# KiCad board carrier.kicad_pcb
title: Carrier Board; date: 2023-12-30; rev: V3.1; company: MUREX Robotics [Byran Huang]; note: //DO IT RIGHT,  DO IT MUREX; note: // ATTEMPT THE IMPOSSIBLE; note: CM4-based ROV (robotics) control board.; note: The MUREX Carrier Board is the world's first open-source
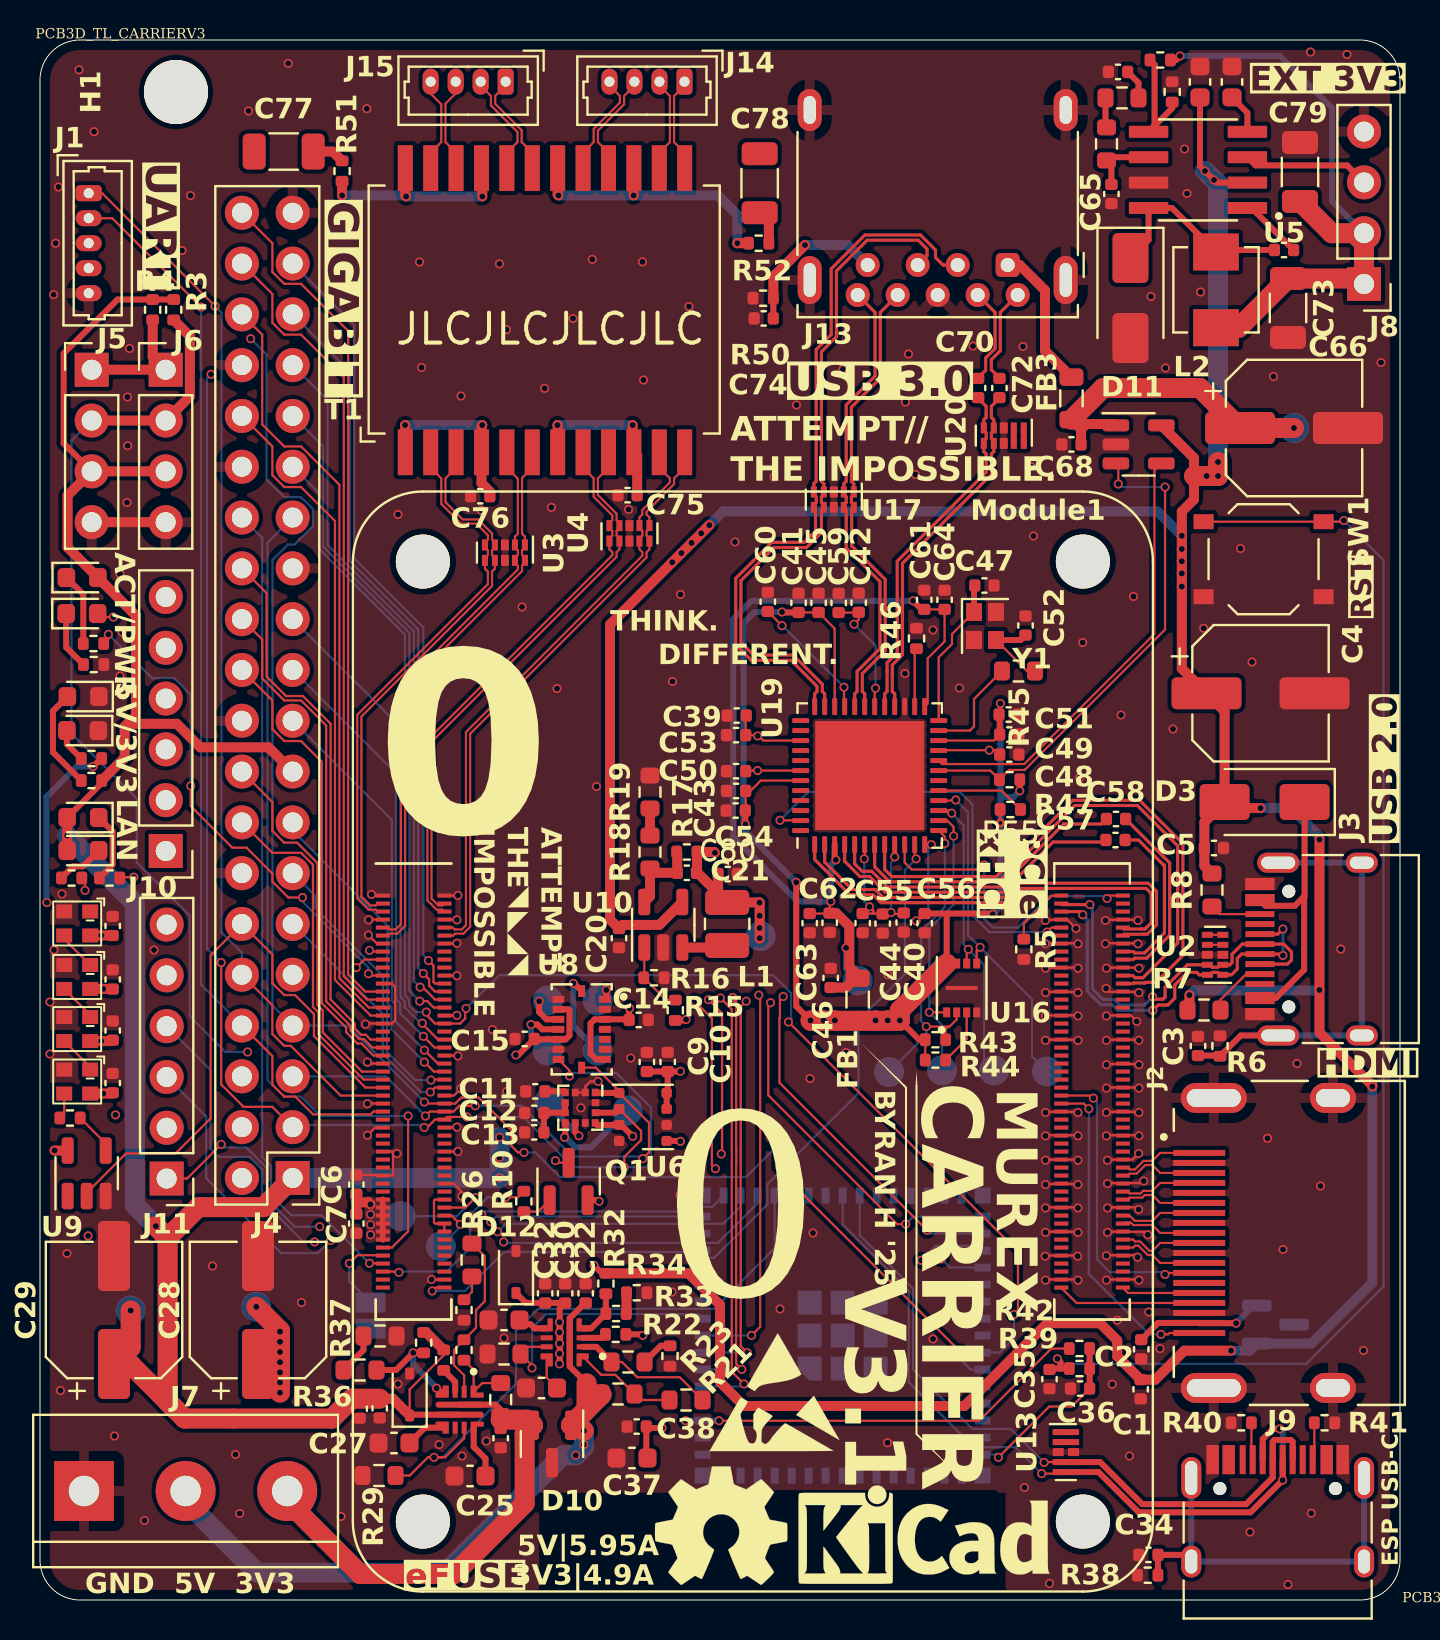
[diagram p0: board, top side]
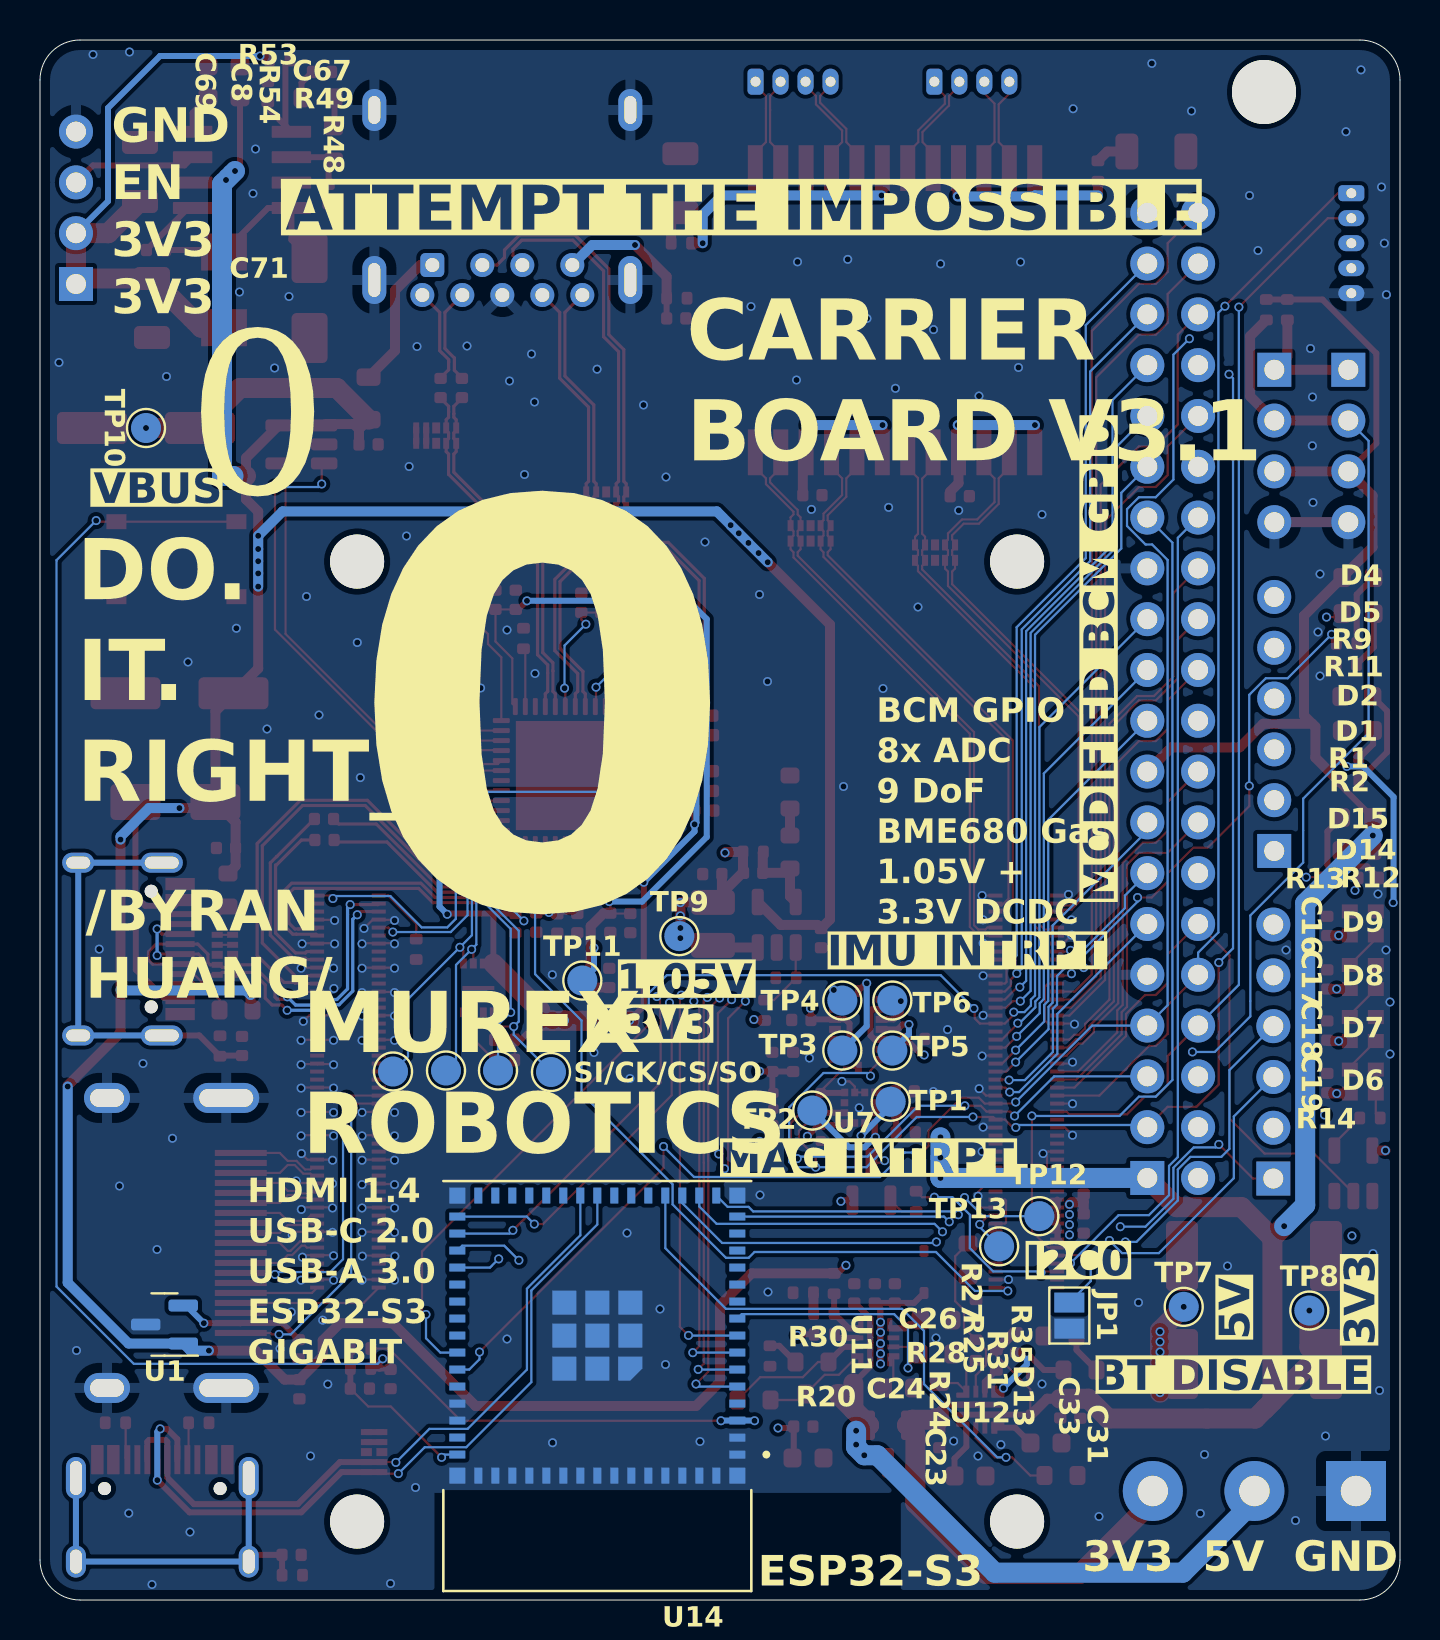
[diagram p1: board, bottom side, seen from below]

Outline 68 x 78 mm; copper layers: Top, In1.Cu, In2.Cu, Bottom. Coordinates in mm from the lower left corner of the outline.
Outline path: 0,76 0,2 arc(0.59,0.59) 2,0 66,0 arc(67.41,0.59) 68,2 68,76 arc(67.41,77.41) 66,78 2,78 arc(0.59,77.41) 0,76
Stack: Top 0.035mm / dielectric 0.1mm FR4 er 4.5 / In1.Cu 0.035mm / dielectric 1.24mm FR4 er 4.5 / In2.Cu 0.035mm / dielectric 0.1mm FR4 er 4.5 / Bottom 0.035mm

## Placement (name value [footprint] x y rotation side)
C1  100nF  [C_0402_1005Metric]  55.03 10.54 270 top
C2  100nF  [C_0402_1005Metric]  55.06 12.54 270 top
C3  100nF  [C_0402_1005Metric]  57.9 27.7 90 top
C4  150uF  [CP_Elec_6.3x7.7]  61.03 45.34 0 top
C5  100nF  [C_0402_1005Metric]  58.7 37.6 0 top
C6  100nF  [C_0402_1005Metric]  15.81 20.77 90 top
C7  10uF  [C_0402_1005Metric]  15.81 18.82 270 top
C8  22uF  [C_0603_1608Metric]  58 75.91 90 top
C9  100nF  [C_0402_1005Metric]  30.34 26.9 90 top
C10  100nF  [C_0402_1005Metric]  31.38 26.9 90 top
C11  100nF  [C_0402_1005Metric]  24.76 25.43 180 top
C12  1uF  [C_0402_1005Metric]  24.71 24.35 0 top
C13  100nF  [C_0402_1005Metric]  24.71 23.38 0 top
C14  100nF  [C_0402_1005Metric]  29.93 29 0 top
C15  100nF  [C_0402_1005Metric]  24.23 28.05 180 top
C16  0.1uF  [C_0402_1005Metric]  3.63 33.7 270 top
C17  0.1uF  [C_0402_1005Metric]  3.63 31.03 270 top
C18  0.1uF  [C_0402_1005Metric]  3.63 28.47 270 top
C19  0.1uF  [C_0402_1005Metric]  3.63 25.85 270 top
C20  10uF  [C_0402_1005Metric]  28.95 33.09 270 top
C21  22pF  [C_0402_1005Metric]  32.34 36.36 180 top
C22  1uF X5R  [C_0402_1005Metric]  27.28 15.33 90 top
C23  1uF X5R  [C_0402_1005Metric]  23.03 8.09 270 top
C24  2.2nF  [C_0603_1608Metric]  25.08 10.6 180 top
C25  2.2nF  [C_0603_1608Metric]  21.5 6.2 180 top
C26  3.3nF  [C_0603_1608Metric]  23.2 14 180 top
C27  3.3nF  [C_0603_1608Metric]  17.7 7.85 180 top
C28  150uF  [CP_Elec_6.3x7.7]  10.9 14.5 90 top
C29  150uF  [CP_Elec_6.3x7.7]  3.7 14.5 90 top
C30  10uF  [C_0402_1005Metric]  26.26 15.33 90 top
C31  10uF  [C_0402_1005Metric]  15.98 9.57 270 top
C32  10uF  [C_0402_1005Metric]  25.26 15.33 90 top
C33  10uF  [C_0402_1005Metric]  16.98 9.58 270 top
C34  100nF  [C_0402_1005Metric]  55.42 2.26 180 top
C35  0.1uF  [C_0402_1005Metric]  50.47 11.05 90 top
C36  1uF  [C_0402_1005Metric]  52 10.57 180 top
C37  22uF  [C_0603_1608Metric]  29.6 7.1 180 top
C38  0.1uF  [C_0402_1005Metric]  29.83 8.67 180 top
C39  100nF  [C_0402_1005Metric]  34.83 44.22 180 top
C40  100nF  [C_0402_1005Metric]  43.18 33.87 270 top
C41  100nF  [C_0402_1005Metric]  37.93 49.86 90 top
C42  100nF  [C_0402_1005Metric]  40.93 49.86 90 top
C43  10nF  [C_0402_1005Metric]  34.8 40.45 180 top
C44  10nF  [C_0402_1005Metric]  42.13 33.82 270 top
C45  10nF  [C_0402_1005Metric]  38.93 49.86 90 top
C46  10uF  [C_0402_1005Metric]  39.53 31.1 90 top
C47  22pF  [C_0402_1005Metric]  47.22 50.72 0 top
C48  10nF  [C_0402_1005Metric]  48.46 42.27 0 top
C49  10nF  [C_0402_1005Metric]  48.46 43.27 0 top
C50  10nF  [C_0402_1005Metric]  34.8 41.44 180 top
C51  10nF  [C_0402_1005Metric]  48.43 44.27 0 top
C52  22pF  [C_0402_1005Metric]  49.27 48.72 90 top
C53  10nF  [C_0402_1005Metric]  34.8 43.24 180 top
C54  10nF  [C_0402_1005Metric]  34.78 39.47 180 top
C55  10nF  [C_0402_1005Metric]  41.13 33.84 270 top
C56  10nF  [C_0402_1005Metric]  44.23 33.84 270 top
C57  100nF  [C_0402_1005Metric]  53.77 38 180 top
C58  100nF  [C_0402_1005Metric]  53.8 39.05 180 top
C59  10nF  [C_0402_1005Metric]  39.93 49.85 90 top
C60  10nF  [C_0402_1005Metric]  36.39 49.91 90 top
C61  100nF  [C_0402_1005Metric]  44.21 50.01 90 top
C62  100nF  [C_0402_1005Metric]  39.48 33.86 270 top
C63  10nF  [C_0402_1005Metric]  38.48 33.84 270 top
C64  10nF  [C_0402_1005Metric]  45.23 50.01 90 top
C65  10pF  [C_0402_1005Metric]  53.57 70.3 270 top
C66  150uF  [CP_Elec_6.3x7.7]  62.7 58.6 0 top
C67  1nF  [C_0402_1005Metric]  53.9 76.41 180 top
C68  10uF  [C_0402_1005Metric]  51.57 57.78 180 top
C69  8.2nF  [C_0603_1608Metric]  59.6 75.91 90 top
C70  100nF  [C_0402_1005Metric]  46.9 60.6 90 top
C71  100nF  [C_0402_1005Metric]  62.2 67.5 180 top
C72  100nF  [C_0402_1005Metric]  47.97 60.6 90 top
C73  100uF  [C_1206_3216Metric]  62.4 64.6 270 top
C74  100nF  [C_0402_1005Metric]  36.19 64.08 180 top
C75  0.1uF  [C_0402_1005Metric]  29.38 55.24 180 top
C76  0.1uF  [C_0402_1005Metric]  22.01 55.19 180 top
C77  1nF 2KV (1206)  [C_1206_3216Metric]  12.18 72.42 180 top
C78  1nF 2KV (1206)  [C_1206_3216Metric]  35.98 70.84 90 top
C79  100uF  [C_1206_3216Metric]  63 71.4 90 top
C80  10uF  [C_0402_1005Metric]  34.38 36.29 0 top
D1  5V  [LED_0603_1608Metric]  2.13 43.47 180 top
D2  3.3V  [LED_0603_1608Metric]  2.16 45.17 180 top
D3  SS54  [D_SMA]  61.23 39.9 180 top
D4  LED Green  [LED_0603_1608Metric]  2.11 51.12 0 top
D5  LED RED  [LED_0603_1608Metric]  2.1 49.32 0 top
D6  NEOPIXEL  [SK6812-EC20]  1.86 25.92 0 top
D7  NEOPIXEL  [SK6812-EC20]  1.86 28.55 0 top
D8  NEOPIXEL  [SK6812-EC20]  1.86 31.15 0 top
D9  NEOPIXEL  [SK6812-EC20]  1.86 33.83 0 top
D10  PSM712  [SOT-23]  25.6 7.8 270 top
D11  SS54  [D_SMA]  54.52 65.1 270 top
D12  1N5819WS  [D_SOD-323]  23.8 16.4 90 top
D13  1N5819WS  [D_SOD-323]  18.48 10.27 90 top
D14  LED Green  [LED_0603_1608Metric]  2.15 37.47 180 top
D15  LED Orange  [LED_0603_1608Metric]  2.15 39.12 180 top
FB1  BLM21PG600SN1  [L_0805_2012Metric]  40.88 30.02 90 top
FB3  BLM21PG600SN1  [L_0805_2012Metric]  51.57 60.08 90 top
H1  MountingHole  [MountingHole_3.2mm_M3]  6.8 75.4 90 top
H2  ESD Symbol  [ESD-Logo_6.6x6mm_SilkScreen]  36.73 10.4 0 top
H3  KiCAD Symbol  [KiCad-Logo_5mm_SilkScreen]  44.2 2.75 0 top
H4  OSHW Symbol  [OSHW-Symbol_6.7x6mm_SilkScreen]  34.05 3.7 0 top
H5  CM4 GPIO Hirose 2x50  [Raspberry-Pi-4-Compute-Module-No-Outline-No-Pads]  18.67 25.42 0 top
H6  CM4 High Speed Hirose 2x50  [Raspberry-Pi-4-Compute-Module-No-Outline-No-Pads]  52.6 25.42 0 top
J1  UART  [Molex_PicoBlade_53047-0510_1x05_P1.25mm_Vertical]  2.43 70.34 270 top
J2  690-019-298-412  [EDAC 690-019-298-412]  58.69 17.85 90 top
J3  USB_C_Receptacle_USB2.0  [USB_C_Receptacle_HRO_TYPE-C-31-M-12]  65.04 32.55 90 top
J4  THD-20-R  [PinHeader_2x20_P2.54mm_Vertical]  12.63 21.1 180 top
J5  I2C  [PinHeader_1x04_P2.54mm_Vertical]  2.58 61.51 0 top
J6  I2C  [PinHeader_1x04_P2.54mm_Vertical]  6.28 61.51 0 top
J7  RAW PWR INPUT  [TerminalBlock_bornier-3_P5.08mm]  2.2 5.45 0 top
J8  EXT 3.3V  [PinHeader_1x04_P2.54mm_Vertical]  66.2 65.8 180 top
J9  USB_C_Receptacle_USB2.0  [USB_C_Receptacle_HRO_TYPE-C-31-M-12]  61.88 2.97 0 top
J10  ESP GPIO 1  [PinHeader_1x06_P2.54mm_Vertical]  6.29 37.45 180 top
J11  ESP GPIO 2  [PinHeader_1x06_P2.54mm_Vertical]  6.33 21.07 180 top
J13  USB3_A  [USB3_A_Molex_48393-001]  48.38 66.75 180 top
J14  Conn_01x04  [Molex_PicoBlade_53047-0410_1x04_P1.25mm_Vertical]  32.22 75.92 180 top
J15  Conn_01x04  [Molex_PicoBlade_53047-0410_1x04_P1.25mm_Vertical]  23.28 75.92 180 top
JP1  BT_nDis  [SolderJumper-2_P1.3mm_Open_Pad1.0x1.5mm]  16.53 14.22 270 bottom
L1  2.2uH  [L_1008_2520Metric]  34.36 33.8 90 top
L2  3.3uH  [L_Vishay_IHLP-1616]  58.8 65.51 90 top
Module1  ComputeModule4  [Raspberry-Pi-4-Compute-Module]  19.14 3.92 0 top
Q1  SS8550  [SOT-23]  26.43 20.93 90 top
R1  2.2k  [R_0402_1005Metric]  2.57 42.07 180 top
R2  2.2k  [R_0402_1005Metric]  2.57 40.97 180 top
R3  10k  [R_0402_1005Metric]  6.68 64.51 270 top
R4  10k  [R_0402_1005Metric]  5.63 64.51 90 top
R5  2.2k  [R_0402_1005Metric]  49.19 32.53 270 top
R6  1M  [R_0402_1005Metric]  59 27.7 90 top
R7  56k  [R_0603_1608Metric]  58.2 29.5 180 top
R8  56k  [R_0603_1608Metric]  58.6 35.5 90 top
R9  1k  [R_0402_1005Metric]  2.67 47.82 0 top
R10  2.2k  [R_0402_1005Metric]  24.19 19.93 270 top
R11  1k  [R_0402_1005Metric]  2.68 46.77 0 top
R12  1k  [R_0402_1005Metric]  1.58 36.1 0 top
R13  1k  [R_0402_1005Metric]  3.48 36.1 0 top
R14  470  [R_0402_1005Metric]  1.5 24.1 180 top
R15  15k  [R_0402_1005Metric]  31.77 29.49 90 top
R16  15k  [R_0402_1005Metric]  30.7 31.11 0 top
R17  12k  [R_0402_1005Metric]  32.34 37.4 180 top
R18  8.2k  [R_0603_1608Metric]  30.5 37.4 90 top
R19  8.2k  [R_0603_1608Metric]  30.5 40.4 90 top
R20  470k  [R_0603_1608Metric]  28.9 10.3 0 top
R21  30k  [R_0603_1608Metric]  32.3 10 0 top
R22  120k  [R_0603_1608Metric]  29.4 11.9 0 top
R23  10k  [R_0402_1005Metric]  31.5 12.2 270 top
R24  470k  [R_0603_1608Metric]  23.03 10.02 90 top
R25  47k  [R_0402_1005Metric]  21.2 12.5 90 top
R26  220k  [R_0603_1608Metric]  21.6 17 270 top
R27  33k  [R_0402_1005Metric]  21.2 14.5 270 top
R28  560  [R_0603_1608Metric]  23.2 12.3 180 top
R29  680  [R_0603_1608Metric]  16.95 6.22 180 top
R30  47k  [R_0402_1005Metric]  28.78 13.28 180 top
R31  47k  [R_0402_1005Metric]  20.18 11.99 270 top
R32  47k  [R_0402_1005Metric]  28.29 15.82 270 top
R33  10k  [R_0402_1005Metric]  28.8 14.32 0 top
R34  5.1k  [R_0402_1005Metric]  29.84 15.36 0 top
R35  47k  [R_0402_1005Metric]  19.18 12.87 270 top
R36  27k  [R_0603_1608Metric]  16 11.5 180 top
R37  1.2k  [R_0603_1608Metric]  17 13.2 0 top
R38  1M  [R_0402_1005Metric]  55.39 1.24 180 top
R39  0  [R_0402_1005Metric]  51.97 11.57 0 top
R40  5.1k  [R_0402_1005Metric]  60.06 8.86 180 top
R41  5.1k  [R_0402_1005Metric]  64.23 8.86 0 top
R42  10k  [R_0402_1005Metric]  51.97 12.57 0 top
R43  47k  [R_0402_1005Metric]  44.77 28.01 180 top
R44  10k  [R_0402_1005Metric]  44.77 27 0 top
R45  680  [R_0603_1608Metric]  48.92 46.45 180 top
R46  1.6k  [R_0402_1005Metric]  43.83 48.07 90 top
R47  10k  [R_0402_1005Metric]  48.48 41.02 0 top
R48  13k  [R_0603_1608Metric]  53.33 72.8 90 top
R49  13k  [R_0603_1608Metric]  54.1 75.1 0 top
R50  1M  [R_0402_1005Metric]  36.16 65.09 180 top
R51  75  [R_0402_1005Metric]  15.1 71.45 90 top
R52  75  [R_0402_1005Metric]  35.93 67.84 0 top
R53  10k  [R_0402_1005Metric]  56.01 77 180 top
R54  3.3k  [R_0402_1005Metric]  56.61 75.41 90 top
R55  10k  [R_0402_1005Metric]  48.52 39.52 180 top
SW1  ESP RST  [SW_Push_1P1T_XKB_TS-1187A]  61.18 52.04 180 top
T1  -  [QT24A23]  25.23 64.52 90 top
TP1  ~  [TestPoint_Pad_D1.5mm]  25.47 24.91 180 bottom
TP2  ~  [TestPoint_Pad_D1.5mm]  29.38 24.47 180 bottom
TP3  ~  [TestPoint_Pad_D1.5mm]  27.88 27.47 180 bottom
TP4  ~  [TestPoint_Pad_D1.5mm]  27.88 29.97 180 bottom
TP5  ~  [TestPoint_Pad_D1.5mm]  25.38 27.47 180 bottom
TP6  ~  [TestPoint_Pad_D1.5mm]  25.38 29.97 180 bottom
TP7  ~  [TestPoint_Pad_D1.5mm]  10.81 14.66 180 bottom
TP8  ~  [TestPoint_Pad_D1.5mm]  4.53 14.47 180 bottom
TP9  ~  [TestPoint_Pad_D1.5mm]  36.03 33.19 180 bottom
TP10  ~  [TestPoint_Pad_D1.5mm]  62.7 58.6 90 bottom
TP11  ~  [TestPoint_Pad_D1.5mm]  40.88 30.97 180 bottom
TP12  ~  [TestPoint_Pad_D1.5mm]  18.03 19.19 180 bottom
TP13  ~  [TestPoint_Pad_D1.5mm]  20.04 17.68 180 bottom
TP14  ~  [TestPoint_Pad_D1.5mm]  47.7 26.47 180 bottom
TP15  ~  [TestPoint_Pad_D1.5mm]  45.1 26.47 180 bottom
TP16  ~  [TestPoint_Pad_D1.5mm]  50.35 26.42 180 bottom
TP17  ~  [TestPoint_Pad_D1.5mm]  42.45 26.4 180 bottom
U1  RT9742SNGV  [SOT-23]  61.77 13.77 0 bottom
U2  TPD4EUSB30  [USON-10_2.5x1.0mm_P0.5mm]  58.75 32.26 180 top
U3  TPD4EUSB30  [USON-10_2.5x1.0mm_P0.5mm]  23.25 52.37 270 top
U4  TPD4EUSB30  [USON-10_2.5x1.0mm_P0.5mm]  29.47 53.33 90 top
U5  TPS54331DR  [SOIC127P599X175-8N]  57.9 71.5 180 top
U6  BME680  [Bosch_LGA-8_3x3mm_P0.8mm_ClockwisePinNumbering]  30.15 24.15 90 top
U7  LIS3MDL  [LGA-12_2x2mm_P0.5mm]  27.01 24.61 270 top
U8  BMI088  [PQFN50P450X300X100-16N]  27.08 28.53 270 top
U9  SN74LV1T34DCK  [SOT-23-5]  2.33 21.33 90 top
U10  AP3429KTTR-G1  [TSOT-23-5]  31.16 33.76 90 top
U11  TPS259474LRPWR  [TPS259474]  26.23 12.88 180 top
U12  TPS259474LRPWR  [TPS259474]  20.98 9.52 270 top
U13  TPD4EUSB30  [USON-10_2.5x1.0mm_P0.5mm]  51.29 7.4 0 top
U14  ESP32-S3-MINI-1-N8  [ESP32-S3-MINI-1]  40.13 13.22 0 bottom
U16  -  [W25X40CLUXIG]  46.08 30.6 90 top
U17  TPD4EUSB30  [USON-10_2.5x1.0mm_P0.5mm]  39.69 55.02 270 top
U18  AP2191  [SOT-23-5]  54.93 57.78 0 top
U19  uPD720202  [QFN-48-1EP_7x7mm_P0.5mm_EP5.45x5.45mm]  41.48 41.22 90 top
U20  TPD4EUSB30  [USON-10_2.5x1.0mm_P0.5mm]  48.19 58.22 270 top
Y1  24MHz  [Crystal_SMD_2016-4Pin_2.0x1.6mm]  47.25 48.7 270 top

## Library data of the parts
C1 C2 = -: Field4: Farnell; Field5: 2611911; Field6: RM EMK105 B7104KV-F; Field7: TAIYO YUDEN EUROPE GMBH; Part Description: 0.1uF 10% 16V Ceramic Capacitor X7R 0402 (1005 Metric); Field8: 110091611; ki_fp_filters: C_*
C3 C5-C8 C11 C21-C27 C30-C65 C67-C80 = -: Description: Unpolarized capacitor, small symbol; ki_fp_filters: C_*
C4 C28 C29 C66 = -: Description: Polarized capacitor, small symbol; ki_fp_filters: CP_*
C9 C10 C12-C19 = -: ki_fp_filters: C_*
C20 = -: Description: Unpolarized capacitor, small symbol; Field4: Digikey; Field5: 490-14381-1-ND; Field6: GRM21BR71A106KA73L; Field7: Murata; Field8: 111893011; Part Description: 10uF 10% 10V Ceramic Capacitor X7R 0805 (2012 Metric); ki_fp_filters: C_*
D1 = -: JLC Part #: C2286; ki_fp_filters: LED* LED_SMD:* LED_THT:*
D2 = -: JLC Part #: C72041; ki_fp_filters: LED* LED_SMD:* LED_THT:*
D3 D11-D13 = -: Description: Schottky diode; ki_fp_filters: TO-???* *_Diode_* *SingleDiode* D_*
D4 D14 D15 = -: Description: Light emitting diode, small symbol; Field4: Digikey; Field5: LTST-S270KGKT; Field6: SML-A12M8TT86N; Field7: Rohm; Field8: 650263301; Part Description: Green 572nm LED Indication - Discrete 2.2V 2-SMD, No Lead; ki_fp_filters: LED* LED_SMD:* LED_THT:*
D5 = -: Description: Light emitting diode, small symbol; ki_fp_filters: LED* LED_SMD:* LED_THT:*
D6-D9 = -: Datasheet: https://cdn-shop.adafruit.com/datasheets/WS2812B.pdf; ki_fp_filters: LED*WS2812*PLCC*5.0x5.0mm*P3.2mm*
D10 = -: Datasheet: https://www.littelfuse.com/~/media/electronics/datasheets/tvs_diode_arrays/littelfuse_tvs_diode_array_sm712_datasheet.pdf.pdf; Description: 7V/12V, 600W Asymmetrical TVS Diode Array, SOT-23; ki_fp_filters: SOT?23*
FB1 FB3 = -: Description: Ferrite bead, small symbol; ki_fp_filters: Inductor_* L_* *Ferrite*
H1-H4 = -: Field4: nf; Field5: nf; Field6: nf; Field7: nf; Part Description: M2.5 mounting hole; ki_fp_filters: MountingHole*
H5 H6 = -: ki_fp_filters: MountingHole*
J1 J5 J6 = -: ki_fp_filters: Connector*:*_1x??_*
J2 = -: Datasheet: https://en.wikipedia.org/wiki/HDMI; Field4: Farnell; Field5: 2614936; Field7: EDAC; Part Description: HDMI Connector, Right Angle, 19 Contacts, Receptacle, Surface Mount, Surface Mount Right Angle; Field8: UCON00802; ki_fp_filters: HDMI*A*
J3 J9 = -: Datasheet: https://www.usb.org/sites/default/files/documents/usb_type-c.zip; ki_fp_filters: USB*C*Receptacle*
J4 = -: Datasheet: https://www.toby.co.uk/uploads/publications/1673.pdf; Field4: Toby; Field7: Toby; Field8: UCON00511; Part Description: PinHeader_2x20_P2.54mm_Vertical; ki_fp_filters: Connector*:*_2x??_*
J7 = -: Description: Generic screw terminal, single row, 01x03, script generated (kicad-library-utils/schlib/autogen/connector/); ki_fp_filters: TerminalBlock*:*
J8 J14 J15 = -: Description: Generic connector, single row, 01x04, script generated (kicad-library-utils/schlib/autogen/connector/); ki_fp_filters: Connector*:*_1x??_*
J10 J11 = -: Description: Generic connector, single row, 01x06, script generated (kicad-library-utils/schlib/autogen/connector/); ki_fp_filters: Connector*:*_1x??_*
J13 = -: Description: USB 3.0 A connector; ki_fp_filters: USB3*
JP1 = -: Description: Jumper, 2-pole, open; ki_fp_filters: Jumper* TestPoint*2Pads* TestPoint*Bridge*
L1 = -: Datasheet: https://www.bourns.com/data/global/pdfs/SRN2512.pdf; Field6: SRN2512-2R2M; Field7: Bourns; Part Description: Inductor, SMT, 2520, 2u2, IRMS=2.3A, ISAT=2.7A, DCR=0.102R; ki_fp_filters: Choke_* *Coil* Inductor_* L_*
L2 = -: Description: Inductor, small symbol; ki_fp_filters: Choke_* *Coil* Inductor_* L_*
Module1 = -: Field4: Hirose; Field5: 2x DF40C-100DS-0.4V; Field6: 2off DF40C-100DS-0.4V; Field7: Hirose; Part Description: 100 Position Connector Receptacle, Center Strip Contacts Surface Mount Gold
Q1 = -: Description: PNP transistor, base/emitter/collector
R1 R2 R7 R8 R14 R40 R41 = -: ki_fp_filters: R_*
R3 R4 = -: LCSC: C25804; ki_fp_filters: R_*
R5 = -: Field4: Farnell; Field5: 9239278; Field7: KOA EUROPE GMBH; Field6: RK73G1ETQTP2201D; Part Description: Resistor 2.2K M1005 1% 63mW; Field8: 120889581; ki_fp_filters: R_*
R6 R10 R20-R39 R42-R55 = -: Description: Resistor, small symbol; ki_fp_filters: R_*
R9 R11 = -: Description: Resistor, small symbol; Field4: Farnell; Field5: 9239235; Field7: KOA EUROPE GMBH; Field6: RK73H1ETTP1001F; Part Description: Resistor 1K M1005 1% 63mW; Field8: 125049511; ki_fp_filters: R_*
R12 R13 = -: Description: Resistor, small symbol; Field4: Farnell; Field5: 9239197; Field7: KOA EUROPE GMBH; Field6: RK73G1ETQTP4700D; Field8: 120887981; Part Description: Resistor 470R M1005 1% 63mW; ki_fp_filters: R_*
R15 R16 = -: Description: Resistor, small symbol; Field4: Farnell; Field5: 9239375; Field6: MCR01MZPF1502; Field7: Rohm; Part Description: Resistor 15K M1005 1% 63mW; Field8: 120891581; ki_fp_filters: R_*
R17 = -: Description: Resistor, small symbol; Field4: Farnell; Field5: 9239367; Field7: Rohm; Field6: MCR01MZPF1202; Part Description: Resistor 12K M1005 1% 63mW; ki_fp_filters: R_*
R18 R19 = -: Description: Resistor, small symbol; Field4: Farnell; Field6: MCR01MZPF1602; Field7: Rohm; Part Description: Resistor 16K M1005 1% 63mW; ki_fp_filters: R_*
SW1 = -: Description: Push button switch, generic, two pins
TP1-TP11 = -: ki_fp_filters: Pin* Test*
TP12-TP17 = -: Description: test point; ki_fp_filters: Pin* Test*
U1 = -: Datasheet: https://www.richtek.com/assets/product_file/RT9742/DS9742-09.pdf; Field4: Farnell; Field5: 2575555; Field7: RichTek; Part Description: Power Switch/Driver 1:1 N-Channel 500mA SOT-23-3; Field8: USWI00155
U2-U4 U13 U17 U20 = -: Datasheet: http://www.ti.com/lit/ds/symlink/tpd2eusb30a.pdf; Field4: Farnell; Field5: 2335455; Field6: CDDFN10-3324P-13; Field7: Bourns; Field8: UDIO00346; Part Description: Quad TVS diode for high speed signals (USB3, GigE etc.); ki_fp_filters: USON*2.5x1.0mm*P0.5mm*
U5 = -: MF: Texas Instruments; Description_1: 3.5V to 28V Input, 3A, 570kHz Step-Down Converter with Eco-mode; Package: SOIC-8 Texas Instruments; Price: None; SnapEDA_Link: https://www.snapeda.com/parts/TPS54331DR/Texas+Instruments/view-part/?ref=snap; Purchase-URL: https://www.snapeda.com/api/url_track_click_mouser/?unipart_id=490779&manufacturer=Texas Instruments&part_name=TPS54331DR&search_term=tps54331dr; Availability: In Stock; Check_prices: https://www.snapeda.com/parts/TPS54331DR/Texas+Instruments/view-part/?ref=eda
U6 = -: Datasheet: https://ae-bst.resource.bosch.com/media/_tech/media/datasheets/BST-BME680-DS001.pdf; ki_fp_filters: *LGA*3x3mm*P0.8mm*Clockwise*
U7 = -: Datasheet: https://www.st.com/resource/en/datasheet/lis3mdl.pdf; Description: Ultra-low-power, 3-axis digital output magnetometer, LGA-12; ki_fp_filters: LGA*2x2mm*P0.5mm*
U8 = -: MF: Bosch Sensortec; PURCHASE-URL: https://pricing.snapeda.com/search/part/BMI088/?ref=eda; PACKAGE: VFLGA-16 Bosch Sensortec; PRICE: None; AVAILABILITY: In Stock; DESCRIPTION: Accelerometer, Gyroscope, 6 Axis Sensor I²C, SPI Output
U9 = -: Datasheet: https://www.ti.com/lit/ds/symlink/sn74lv1t34.pdf; ki_fp_filters: SOT?23*
U10 = -: Datasheet: https://www.diodes.com/assets/Datasheets/AP3429.pdf; Field7: Diodes
U11 U12 = -: DigiKey_Part_Number: 296-TPS259474ARPWRTR-ND; MF: Texas Instruments; MAXIMUM_PACKAGE_HEIGHT: 1.0 mm; Package: VFQFN-10 Texas Instruments; Check_prices: https://www.snapeda.com/parts/TPS259474ARPWR/Texas+Instruments/view-part/?ref=eda; STANDARD: Manufacturer Recommendations; PARTREV: A; SnapEDA_Link: https://www.snapeda.com/parts/TPS259474ARPWR/Texas+Instruments/view-part/?ref=snap; MP: TPS259474ARPWR; Purchase-URL: https://www.snapeda.com/api/url_track_click_mouser/?unipart_id=5832748&manufacturer=Texas Instruments&part_name=TPS259474ARPWR&search_term=tps25947; Description_1: 2.7-V to 23-V, 28-mΩ, 5.5-A eFuse with integrated reverse polarity protection; MANUFACTURER: Texas Instruments
U14 = -: MF: Espressif Systems; MAXIMUM_PACKAGE_HEIGHT: 2.55mm; Package: None; Price: None; Check_prices: https://www.snapeda.com/parts/ESP32-S3-MINI-1-N8/Espressif+Systems/view-part/?ref=eda; STANDARD: Manufacturer Recommendations; PARTREV: v0.6; SnapEDA_Link: https://www.snapeda.com/parts/ESP32-S3-MINI-1-N8/Espressif+Systems/view-part/?ref=snap; Purchase-URL: https://www.snapeda.com/api/url_track_click_mouser/?unipart_id=8941370&manufacturer=Espressif Systems&part_name=ESP32-S3-MINI-1-N8&search_term=None; Description_1: Bluetooth, WiFi 802.11b/g/n, Bluetooth v5.0 Transceiver Module 2.4GHz PCB Trace Surface Mount; Availability: In Stock; MANUFACTURER: Espressif
U16 = -: Datasheet: https://www.winbond.com/resource-files/W25X40CL_G%2020210505.pdf; Description: 4Mbit Serial Flash memory, dual I/O SPI, USON-8; ki_fp_filters: SOP*3.9x4.9mm*P1.27mm*
Y1 = -: Description: Four pin crystal, GND on pins 2 and 4, small symbol; ki_fp_filters: Crystal*

## Footprints (pads in the part's own frame, mm; a bottom-side part is the same pattern mirrored in y, then rotated)
Bosch_LGA-8_3x3mm_P0.8mm_ClockwisePinNumbering
  rrect 0.5x0.525 smd: 1(-1.2,1.188) 2(-0.4,1.188) 3(0.4,1.188) 4(1.2,1.188) 5(1.2,-1.188) 6(0.4,-1.188) 7(-0.4,-1.188) 8(-1.2,-1.188)
C_0402_1005Metric
  rrect 0.56x0.62 smd: 1(-0.48,0) 2(0.48,0)
C_0603_1608Metric
  rrect 0.9x0.95 smd: 1(-0.775,0) 2(0.775,0)
C_1206_3216Metric
  rrect 1.15x1.8 smd: 1(-1.475,0) 2(1.475,0)
CP_Elec_6.3x7.7
  rrect 3.5x1.6 smd: 1(-2.7,0) 2(2.7,0)
Crystal_SMD_2016-4Pin_2.0x1.6mm
  rect 0.9x0.8 smd: 1(-0.7,-0.55) 2(0.7,-0.55) 3(0.7,0.55) 4(-0.7,0.55)
D_SMA
  rrect 2.5x1.8 smd: 1(-2,0) 2(2,0)
D_SOD-323
  rrect 0.6x0.45 smd: 1(-1.05,0) 2(1.05,0)